# KiCad board master-circuit.kicad_pcb
title: Hex master motor control circuit; rev: version 0.2; company: Hex Robotics Limited; note: Author: Calin Mocanu
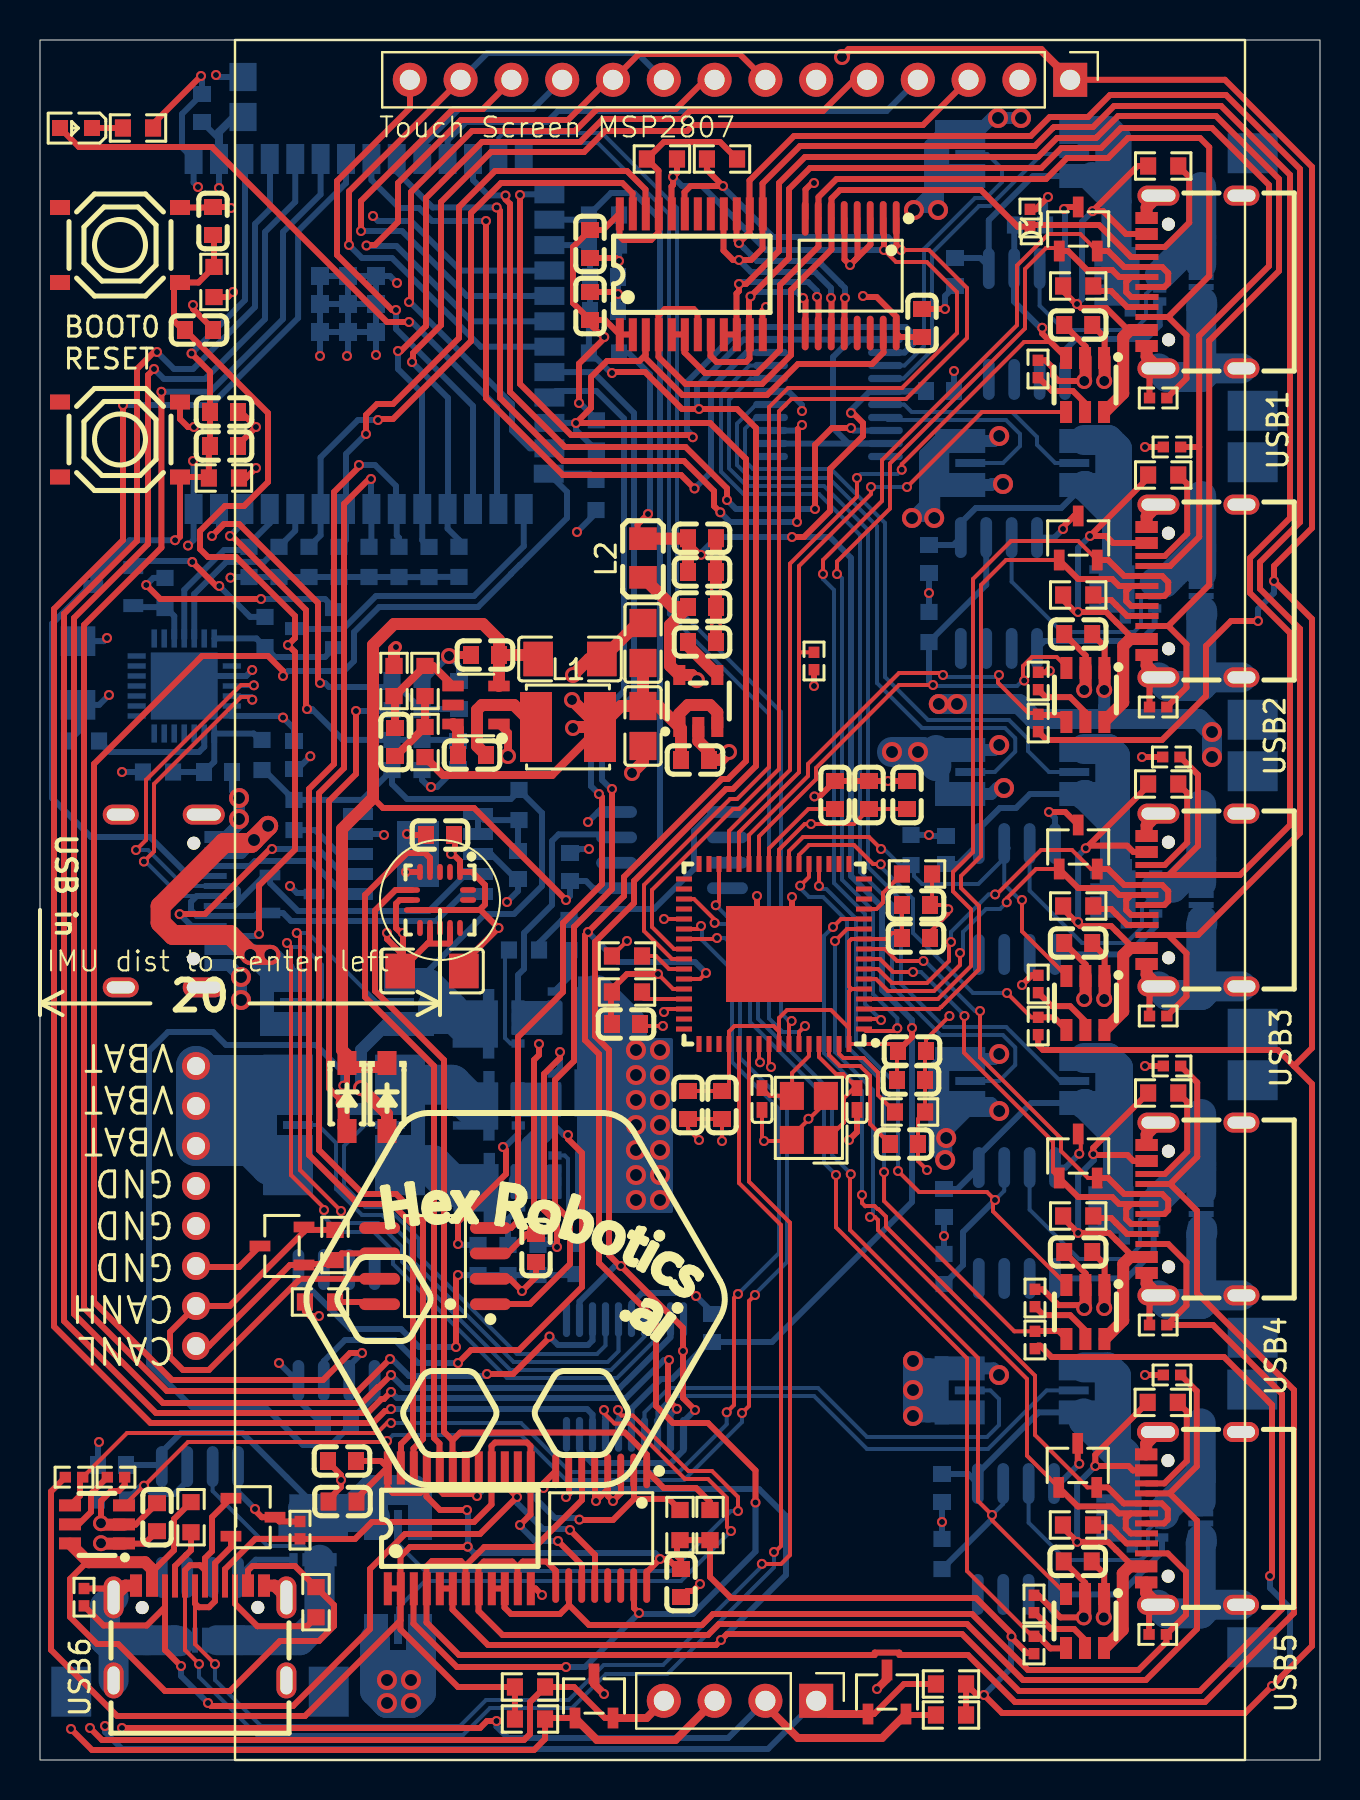
[diagram p0: board, top side]
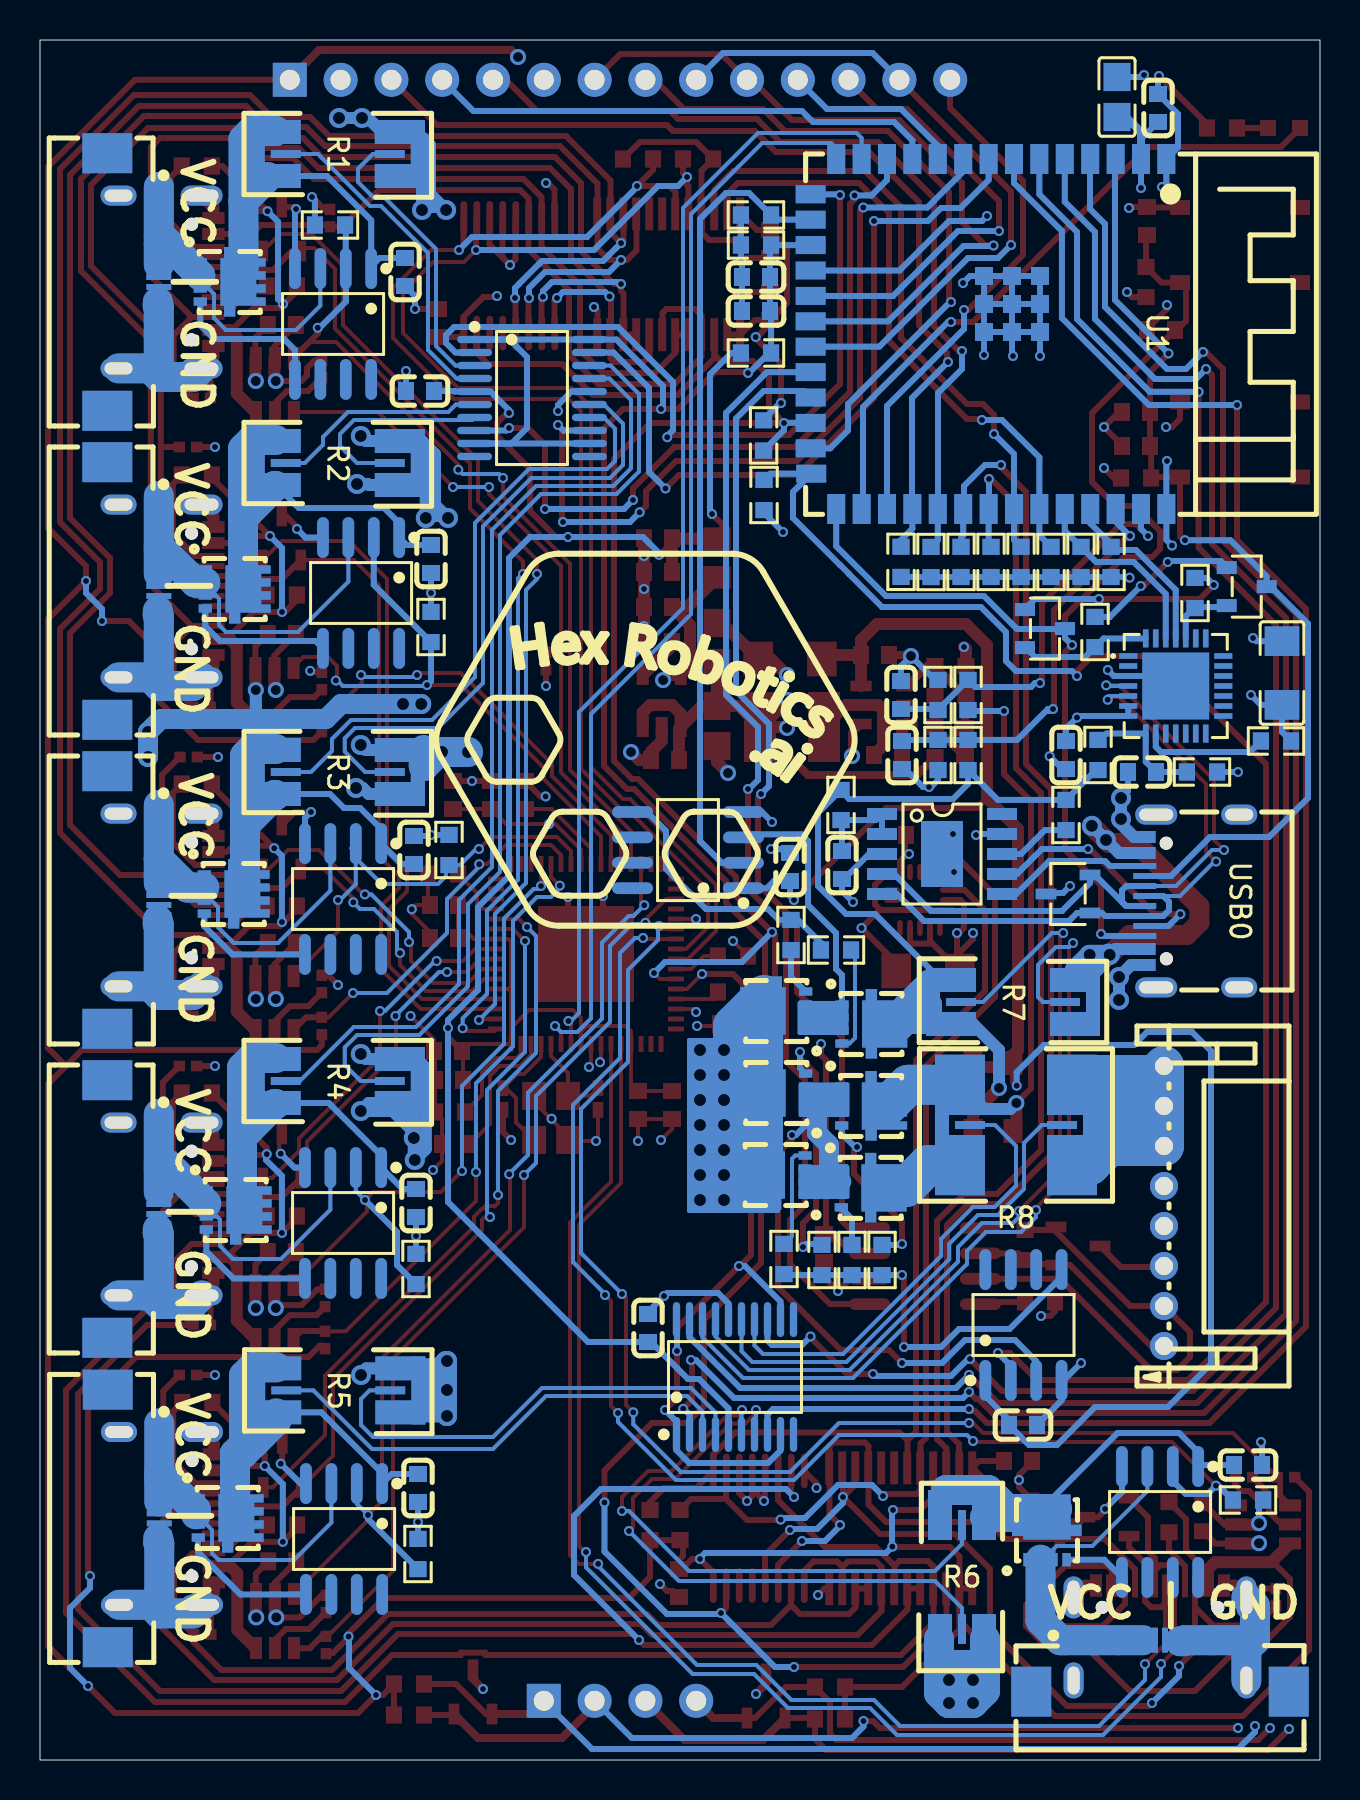
[diagram p1: board, bottom side, seen from below]

Outline 64 x 86 mm; copper layers: Top, In1.Cu, In2.Cu, Bottom. Coordinates in mm from the lower left corner of the outline.
Outline path: rectangle 0,86 64,0
Stack: Top 0.07mm / dielectric 0.1mm FR4 er 4.5 / In1.Cu 0.035mm / dielectric 1.24mm FR4 er 4.5 / In2.Cu 0.035mm / dielectric 0.1mm FR4 er 4.5 / Bottom 0.07mm

## Placement (name value [footprint] x y rotation side)
C1  1uF  [C0603]  9.2 65.7 180 top
C2  100nF  [C0603]  8.1 82.6 270 bottom
C3  22uF  [C0805]  10.15 83.15 270 bottom
C4  100nF  [C0603]  7.95 71.5 180 top
C5  100nF  [C0603]  9.2 67.4 180 top
C6  100pF  [C0603]  17.75 50.9 270 top
C7  100nF  [C0603]  21.6 50.25 0 top
C8  1uF  [C0603]  33.1 57.65 180 top
C9  10nF  [C0603]  33.1 55.9 180 top
C10  1nF  [C0603]  20.9 50.25 90 bottom
C11  1nF  [C0603]  20.95 53.25 270 bottom
C12  1uF  [C0603]  33.1 59.4 180 top
C13  100nF  [C0603]  33.1 61.09 180 top
C15  1uF  [C0603]  51.91 71.75 0 top
C16  100nF  [C0603]  12.7 50.25 90 bottom
C17  10uF  [C1206]  1.9 54.35 270 bottom
C18  1uF  [C0603]  8.9 49.4 0 bottom
C20  1uF  [C0603]  32.75 50 180 top
C21  10uF  [C1206]  26.5 55.05 180 top
C22  100nF  [C0603]  22.25 55.25 0 top
C23  22uF  [C0805]  30.15 55.85 270 top
C24  22uF  [C0805]  30.15 51.7 90 top
C25  1uF  [C0603]  8.65 76.95 270 top
C26  1uF  [C0603]  51.91 56.3 0 top
C27  1uF  [C0603]  51.91 40.85 0 top
C28  1uF  [C0603]  51.91 25.4 0 top
C29  1uF  [C0603]  23.9 44.75 90 bottom
C30  100nF  [C0603]  24.8 25.6 90 top
C31  100nF  [C0603]  20 46.25 0 top
C32  10uF  [C1206]  19.6 39.45 0 top
C33  1uF  [C0603]  51.89 9.93 0 top
C34  100nF  [C0603]  28.2 72.45 180 bottom
C35  1uF  [C0603]  28.2 74.15 180 bottom
C38  100nF  [C0603]  33.6 21.6 270 bottom
C39  100nF  [C0603]  45 68.45 180 bottom
C40  1uF  [C0603]  5.85 12.14 270 top
C42  100nF  [C0603]  27.5 75.8 90 top
C43  100nF  [C0603]  15.1 14.95 0 top
C44  100nF  [C0603]  32.05 8.85 90 top
C45  100nF  [C0603]  44.1 71.85 270 top
C51  1uF  [C0603]  45.75 74.4 90 bottom
C52  1uF  [C0603]  44.45 60.05 90 bottom
C53  1uF  [C0603]  45.3 45.5 270 bottom
C54  1uF  [C0603]  45.2 27.85 90 bottom
C55  1uF  [C0603]  26.5 44.65 270 bottom
C56  1uF  [C0603]  14.85 16.75 0 bottom
C57  1uF  [C0603]  45.1 13.6 90 bottom
C58  1uF  [C0603]  3.6 14.75 0 bottom
C59  1uF  [C0603]  41.45 48.25 270 top
C60  100nF  [C0603]  43.35 48.25 270 top
C61  100nF  [C0603]  43.8 41.1 180 top
C62  100nF  [C0603]  43.8 42.75 180 top
C63  1uF  [C0603]  39.75 48.25 270 top
C64  15pF  [C0402]  40.85 33.05 270 top
C65  1uF  [C0603]  43.2 30.8 180 top
C66  100nF  [C0603]  34.1 32.75 90 top
C67  100nF  [C0603]  32.4 32.75 90 top
C68  100nF  [C0603]  29.3 36.8 180 top
C69  15pF  [C0402]  36.1 33.05 90 top
C70  100nF  [C0603]  43.55 34 180 top
C71  1uF  [C0603]  43.6 35.45 180 top
C84  1uF  [C0603]  27.5 72.7 270 top
C85  1uF  [C0603]  15.12 12.92 0 top
D1  ~  [SOT-23-3_L3.0-W1.7-P0.95-LS2.9-BR]  51.91 76.55 90 top
D2  ~  [SOT-23-3_L3.0-W1.7-P0.95-LS2.9-BR]  51.91 61.1 90 top
D4  ~  [SOT-23-3_L3.0-W1.7-P0.95-LS2.9-BR]  27.7 3.2 90 top
D5  ~  [SOT-23-3_L3.0-W1.7-P0.95-LS2.9-BR]  51.91 45.65 90 top
D6  ~  [SOT-23-3_L3.0-W1.7-P0.95-LS2.9-BR]  42.35 3.4 90 top
D7  ~  [SOT-23-3_L3.0-W1.7-P0.95-LS2.9-BR]  12.1 25.7 180 top
D8  ~  [SOT-23-3_L3.0-W1.7-P0.95-LS2.9-BR]  12.6 43.3 0 bottom
D9  ~  [SOT-23-3_L3.0-W1.7-P0.95-LS2.9-BR]  51.91 30.2 90 top
D10  ~  [SOT-23-3_L3.0-W1.7-P0.95-LS2.9-BR]  51.89 14.73 90 top
D11  ~  [SOT-23-3_L3.0-W1.7-P0.95-LS2.9-BR]  10.65 12.14 0 top
D12  ~  [SOD-123_L2.7-W1.6-LS3.7-RD-1]  15.35 33.15 270 top
D14  ~  [SOD-123_L2.7-W1.6-LS3.7-RD-1]  17.35 33.15 270 top
FPC1  ~  [FPC-SMD_20P-P0.50_XUNPU_FPC-05F-20PH20]  59.35 73.9 270 bottom
FPC2  ~  [FPC-SMD_20P-P0.50_XUNPU_FPC-05F-20PH20]  59.35 58.45 270 bottom
FPC3  ~  [FPC-SMD_20P-P0.50_XUNPU_FPC-05F-20PH20]  59.35 43 270 bottom
FPC4  ~  [FPC-SMD_20P-P0.50_XUNPU_FPC-05F-20PH20]  59.35 27.55 270 bottom
FPC5  ~  [FPC-SMD_20P-P0.50_XUNPU_FPC-05F-20PH20]  59.32 12.08 270 bottom
FPC6  ~  [FPC-SMD_20P-P0.50_XUNPU_FPC-05F-20PH20]  8 4.7 180 bottom
L1  15uH  [IND-SMD_L4.0-W4.0]  26.4 51.65 0 top
L2  10uH  [L0805]  30.15 60.1 90 top
LED1  ~  [LED0603-RD]  1.8 81.6 180 top
Q8  ~  [WDFN-5_L3.1-W3.1-P0.65-BL_1]  55.25 73.9 270 bottom
Q9  ~  [SOT-23-3_L2.9-W1.3-P1.90-LS2.4-BR]  3.66 58.7 180 bottom
Q10  ~  [SOT-23-3_L2.9-W1.3-P1.90-LS2.4-BR]  13.75 56.6 180 bottom
Q12  ~  [WDFN-5_L3.1-W3.1-P0.65-BL_1]  55 58.55 270 bottom
Q14  ~  [WDFN-5_L3.1-W3.1-P0.65-BL_1]  23.16 36.8 270 bottom
Q16  ~  [WDFN-5_L3.1-W3.1-P0.65-BL_1]  26.45 37.45 90 bottom
Q18  ~  [WDFN-5_L3.1-W3.1-P0.65-BL_1]  23.18 32.7 270 bottom
Q20  ~  [WDFN-5_L3.1-W3.1-P0.65-BL_1]  26.45 33.35 90 bottom
Q21  ~  [WDFN-5_L3.1-W3.1-P0.65-BL_1]  23.2 28.61 270 bottom
Q22  ~  [WDFN-5_L3.1-W3.1-P0.65-BL_1]  26.48 29.25 90 bottom
Q23  ~  [WDFN-5_L3.1-W3.1-P0.65-BL_1]  55.05 43.3 270 bottom
Q24  ~  [WDFN-5_L3.1-W3.1-P0.65-BL_1]  54.95 27.5 270 bottom
Q25  ~  [WDFN-5_L3.1-W3.1-P0.65-BL_1]  55.35 12.1 270 bottom
Q26  ~  [WDFN-5_L3.1-W3.1-P0.65-BL_1]  13.65 10.75 180 bottom
R1  5mΩ  [R2512 Shunt with Kelvin connections]  49.11 80.3 180 bottom
R2  5mΩ  [R2512 Shunt with Kelvin connections]  49.11 64.85 180 bottom
R3  5mΩ  [R2512 Shunt with Kelvin connections]  49.11 49.4 180 bottom
R4  5mΩ  [R2512 Shunt with Kelvin connections]  49.11 33.95 180 bottom
R5  5mΩ  [R2512 Shunt with Kelvin connections]  49.09 18.48 180 bottom
R6  5mΩ  [R2512 Shunt with Kelvin connections]  17.9 9.15 270 bottom
R7  5mΩ  [R2512 Shunt with Kelvin connections]  15.35 37.9 0 bottom
R8  1mΩ  [R2725 Shunt with Kelvin connections]  15.2 31.75 0 bottom
R9  10kΩ  [R0603]  45.55 3.8 0 top
R10  49.9Ω  [R0603]  19.25 50.9 270 top
R11  10kΩ  [R0603]  27.8 63.25 90 bottom
R12  10kΩ  [R0603]  28.2 77.25 180 bottom
R13  56kΩ  [R0603]  51.91 73.7 0 top
R14  10kΩ  [R0603]  24.5 3.65 180 top
R15  10kΩ  [R0603]  24.5 2.05 180 top
R16  120Ω  [R0603]  14.75 25.75 90 top
R17  10kΩ  [R0603]  17.95 59.9 270 bottom
R18  10kΩ  [R0603]  16.45 59.9 270 bottom
R21  10kΩ  [R0603]  28.2 70.35 0 bottom
R22  10kΩ  [R0603]  28.2 75.75 180 bottom
R23  1.5kΩ  [R0603]  4.9 81.6 0 top
R24  10kΩ  [R0603]  14.95 59.9 270 bottom
R25  10kΩ  [R0603]  13.45 59.9 270 bottom
R26  10kΩ  [R0603]  19.45 59.9 270 bottom
R27  10kΩ  [R0603]  20.95 59.91 270 bottom
R28  56kΩ  [R0603]  51.91 58.25 0 top
R29  10kΩ  [R0603]  27.82 66.23 90 bottom
R30  10kΩ  [R0603]  43.85 44.3 180 top
R31  10kΩ  [R0603]  14 22.9 0 top
R32  10kΩ  [R0603]  11.95 59.9 270 bottom
R33  10kΩ  [R0603]  10.45 59.9 270 bottom
R34  10kΩ  [R0603]  45.55 2.25 0 top
R35  20kΩ  [R0402]  49.9 69.55 270 top
R37  10kΩ  [R0603]  9.2 64.1 0 top
R38  10kΩ  [R0603]  19.1 53.25 270 bottom
R39  1.5kΩ  [R0603]  2.2 50.95 0 bottom
R40  20kΩ  [R0603]  11.1 50.25 90 bottom
R41  47kΩ  [R0603]  5.9 49.4 180 bottom
R42  10kΩ  [R0603]  8.7 73.9 90 top
R43  10kΩ  [R0603]  11.25 56.4 270 bottom
R44  10kΩ  [R0603]  6.25 58.35 270 bottom
R45  100kΩ  [R0603]  17.6 50.25 270 bottom
R46  56kΩ  [R0603]  51.91 42.7 0 top
R47  10kΩ  [R0603]  19.1 50.25 90 bottom
R48  100kΩ  [R0603]  17.6 53.25 270 bottom
R50  12kΩ  [R0603]  43.5 32.4 0 top
R51  10kΩ  [R0603]  29.35 38.4 180 top
R52  10kΩ  [R0603]  29.35 40.2 0 top
R53  10kΩ  [R0603]  34.1 80.05 0 top
R55  20kΩ  [R0402]  49.91 53.95 270 top
R56  100kΩ  [R0603]  19.25 53.95 270 top
R58  10kΩ  [R0603]  31.1 80.05 180 top
R59  56kΩ  [R0603]  51.91 27.2 0 top
R60  10kΩ  [R0603]  33.5 11.75 270 top
R61  20kΩ  [R0402]  49.91 38.8 270 top
R62  13kΩ  [R0603]  17.7 53.95 270 top
R64  10kΩ  [R0603]  32 11.75 270 top
R65  56kΩ  [R0603]  51.9 11.75 0 top
R66  20kΩ  [R0402]  49.75 23.1 270 top
R67  20kΩ  [R0402]  49.7 7.8 270 top
R68  1kΩ  [R0603]  23.95 47.75 270 bottom
R70  20kΩ  [R0402]  3.8 14.14 180 top
R71  56kΩ  [R0603]  7.55 12.14 270 top
R72  10kΩ  [R0603]  12.7 47.25 270 bottom
R73  10kΩ  [R0603]  49.5 76.75 180 bottom
R74  10kΩ  [R0603]  44.45 56.65 270 bottom
R76  56kΩ  [R0603]  56.16 79.7 180 top
R77  4.7Ω  [R0603]  26.45 41.25 270 bottom
R78  10kΩ  [R0603]  43.55 45.5 270 bottom
R79  100kΩ  [R0402]  38.7 54.95 90 top
R80  100kΩ  [R0402]  49.91 51.85 90 top
R81  4.7Ω  [R0603]  24.2 40.5 180 bottom
R82  100kΩ  [R0402]  49.91 36.7 90 top
R83  100kΩ  [R0402]  49.75 21 90 top
R84  100kΩ  [R0402]  49.7 5.75 90 top
R85  56kΩ  [R0603]  56.16 64.25 180 top
R86  56kΩ  [R0603]  56.16 48.8 180 top
R87  56kΩ  [R0603]  56.16 33.35 180 top
R88  56kΩ  [R0603]  56.14 17.88 180 top
R89  56kΩ  [R0603]  13.8 7.89 90 top
R90  4.7Ω  [R0603]  21.9 25 90 bottom
R91  100kΩ  [R0402]  1.7 14.14 0 top
R92  4.7Ω  [R0603]  24.9 25 90 bottom
R93  4.7Ω  [R0603]  23.4 25 90 bottom
R94  4.7Ω  [R0603]  26.8 25.05 90 bottom
R95  10kΩ  [R0603]  45.2 24.55 270 bottom
R96  1MΩ  [R0402]  55.91 68.1 0 top
R97  1MΩ  [R0402]  55.91 52.65 0 top
R98  1MΩ  [R0402]  55.91 37.2 0 top
R99  1MΩ  [R0402]  55.91 21.75 0 top
R100  1MΩ  [R0402]  55.89 6.28 0 top
R101  1MΩ  [R0402]  2.2 8.14 270 top
R102  10kΩ  [R0603]  45.1 10.3 270 bottom
R103  1MΩ  [R0402]  49.5 77.1 270 top
R104  1MΩ  [R0402]  56.6 65.65 0 top
R105  1MΩ  [R0402]  56.57 50.15 0 top
R106  1MΩ  [R0402]  56.6 34.7 0 top
R107  1MΩ  [R0402]  56.6 19.25 0 top
R108  1MΩ  [R0402]  13 11.49 270 top
R109  10kΩ  [R0603]  3.6 13 0 bottom
SW1  ~  [SW-SMD_4P-L5.1-W5.1-P3.70-LS6.5-TL_H1.5]  4 75.75 180 top
SW2  ~  [SW-SMD_4P-L5.1-W5.1-P3.70-LS6.5-TL_H1.5]  4 66.03 180 top
U1  ~  [WIRELM-SMD_ESP32-S3-WROOM-1]  16.58 71.3 270 bottom
U3  ~  [SOT-23-5_L3.0-W1.6-P0.95-LS2.8-BL]  32.91 52.95 180 top
U4  ~  [SOT-23-6_L2.9-W1.6-P0.95-LS2.8-BL]  21.8 52.75 270 top
U7  ~  [SOT-23-6_L2.9-W1.6-P0.95-LS2.8-BR]  52.28 68.75 270 top
U9  ~  [TSSOP-24_L7.8-W4.4-P0.65-LS6.4-BL]  32.55 74.3 90 top
U10  ~  [QFN-28_L5.0-W5.0-P0.50-TL-EP3.3]  7.21 53.7 270 bottom
U11  ~  [TSSOP-20_L6.5-W4.4-P0.65-LS6.4-BL]  39.4 68.1 180 bottom
U13  ~  [TSSOP-24_L7.8-W4.4-P0.65-LS6.4-BL]  20.95 11.6 90 top
U14  ~  [TSSOP-16_L5.0-W4.4-P0.65-LS6.4-BL]  40.55 74.2 270 top
U15  ~  [TSSOP-16_L5.0-W4.4-P0.65-LS6.4-BL]  28.07 11.57 270 top
U16  ~  [TSSOP-20_L6.5-W4.4-P0.65-LS6.4-BL]  29.25 19.15 90 bottom
U17  ~  [SOIC-8_L4.9-W3.9-P1.27-LS6.0-BL]  19.75 24.7 180 top
U18  ~  [LGA-16_L3.0-W3.0-P0.50-TL]  20 43 270 top
U19  ~  [CONN-TH_S8B-PH-K-S-LF-SN]  7.8 27.7 270 bottom
U23  ~  [SOT-23-6_L2.9-W1.6-P0.95-LS2.8-BR]  52.3 53.25 270 top
U24  ~  [QFN-64_L9.0-W9.0-P0.50-BL-EP4.8]  36.7 40.3 0 top
U26  ~  [SOT-23-6_L2.9-W1.6-P0.95-LS2.8-BR]  52.3 37.85 270 top
U28  ~  [SOT-23-6_L2.9-W1.6-P0.95-LS2.8-BR]  52.3 22.4 270 top
U30  ~  [SOT-23-6_L2.9-W1.6-P0.95-LS2.8-BR]  52.28 6.95 270 top
U32  ~  [SOT-23-6_L2.9-W1.6-P0.95-LS2.8-BR]  2.85 11.75 180 top
U35  ~  [MSP2807 OLED with touchescreen and SD card]  35 43 270 top
U41  ~  [SOIC-8_L4.9-W3.9-P1.27-LS6.0-BL]  49.35 71.8 270 bottom
U42  ~  [ESSOP-10_L4.9-W3.9-P1.0-LS6.0-TL-EP]  18.9 45.3 270 bottom
U43  ~  [SOIC-8_L4.9-W3.9-P1.27-LS6.0-BL]  47.95 58.35 270 bottom
U44  ~  [SOIC-8_L4.9-W3.9-P1.27-LS6.0-BL]  48.85 43.05 270 bottom
U45  ~  [SOIC-8_L4.9-W3.9-P1.27-LS6.0-BL]  48.85 26.85 270 bottom
U46  ~  [SOIC-8_L4.9-W3.9-P1.27-LS6.0-BL]  31.6 45.5 0 bottom
U47  ~  [SOIC-8_L4.9-W3.9-P1.27-LS6.0-BL]  14.82 21.75 90 bottom
U48  ~  [SOIC-8_L4.9-W3.9-P1.27-LS6.0-BL]  48.8 11.05 270 bottom
U49  ~  [SOIC-8_L4.9-W3.9-P1.27-LS6.0-BL]  8 11.9 270 bottom
USB0  ~  [USB-C-SMD_TYPE-C16PIN]  6.4 42.95 90 bottom
USB1  ~  [USB-C-SMD_TYPE-C16PIN]  57.71 73.9 90 top
USB2  ~  [USB-C-SMD_TYPE-C16PIN]  57.71 58.45 90 top
USB3  ~  [USB-C-SMD_TYPE-C16PIN]  57.71 43 90 top
USB4  ~  [USB-C-SMD_TYPE-C16PIN]  57.71 27.55 90 top
USB5  ~  [USB-C-SMD_TYPE-C16PIN]  57.69 12.08 90 top
USB6  ~  [USB-C-SMD_TYPE-C16PIN]  8 6.34 0 top
X2  24MHz  [CRYSTAL-SMD_4P-L3.2-W2.5-BL]  38.44 32.1 90 top

## Library data of the parts
C1 C8 C12 C15 C18 C20 C25-C29 C33 C35 C40 C51-C59 C63 C65 C71 C84 C85 = -: Datasheet: https://item.szlcsc.com/datasheet/CL10A105KB8NNNC/16531.html; Description: Capacitance:1uF Tolerance:±10% Tolerance:±10% Voltage Rating:50V Temperature Coefficient:X5R; Manufacturer Part: CL10A105KB8NNNC; Manufacturer: SAMSUNG(三星); Supplier Part: C15849; Supplier: LCSC; LCSC Part Name: 1uF ±10% 50V; LCSC Part #: C15849
C2 C4 C5 C7 C13 C16 C22 C30 C31 C34 C38 C39 C42-C45 C60-C62 C66-C68 C70 = -: Datasheet: https://item.szlcsc.com/datasheet/CC0603KRX7R9BB104/15331.html; Description: Capacitance:100nF Tolerance:±10% Tolerance:±10% Voltage Rating:50V Temperature Coefficient:X7R; Manufacturer Part: CC0603KRX7R9BB104; Manufacturer: YAGEO(国巨); Supplier Part: C14663; Supplier: LCSC; LCSC Part Name: 100nF ±10% 50V; LCSC Part #: C14663
C3 C23 C24 = -: Datasheet: https://item.szlcsc.com/datasheet/CL21A226MAQNNNE/46786.html; Description: Capacitance:22uF Tolerance:±20% Tolerance:±20% Voltage Rating:25V Temperature Coefficient:X5R; Manufacturer Part: CL21A226MAQNNNE; Manufacturer: SAMSUNG(三星); Supplier Part: C45783; Supplier: LCSC; LCSC Part Name: 22uF ±20% 25V; LCSC Part #: C45783
C6 = -: Datasheet: https://item.szlcsc.com/datasheet/CL10C101JB8NNNC/15530.html; Description: Capacitance:100pF Tolerance:±5% Tolerance:±5% Voltage Rating:50V Temperature Coefficient:C0G; Manufacturer Part: CL10C101JB8NNNC; Manufacturer: SAMSUNG(三星); Supplier Part: C14858; Supplier: LCSC; LCSC Part Name: 100pF ±5% 50V; LCSC Part #: C14858
C9 = -: Datasheet: https://item.szlcsc.com/datasheet/0603B103K500NT/58143.html; Description: Capacitance:10nF Tolerance:±10% Tolerance:±10% Voltage Rating:50V Temperature Coefficient:X7R; Manufacturer Part: 0603B103K500NT; Manufacturer: FH(风华); Supplier Part: C57112; Supplier: LCSC; LCSC Part Name: 10nF ±10% 50V; LCSC Part #: C57112
C10 C11 = -: Datasheet: https://item.szlcsc.com/datasheet/CL10B102KB8NNNC/1940.html; Description: Capacitance:1nF Tolerance:±10% Tolerance:±10% Voltage Rating:50V Temperature Coefficient:X7R; Manufacturer Part: CL10B102KB8NNNC; Manufacturer: SAMSUNG(三星); Supplier Part: C1588; Supplier: LCSC; LCSC Part Name: 1nF ±10% 50V; LCSC Part #: C1588
C17 C21 C32 = -: Datasheet: https://item.szlcsc.com/datasheet/CL31A106KBHNNNE/14236.html; Description: Capacitance:10uF Tolerance:±10% Tolerance:±10% Voltage Rating:50V Temperature Coefficient:X5R; Manufacturer Part: CL31A106KBHNNNE; Manufacturer: SAMSUNG(三星); Supplier Part: C13585; Supplier: LCSC; LCSC Part Name: 10uF ±10% 50V; LCSC Part #: C13585
C64 C69 = -: Datasheet: https://item.szlcsc.com/datasheet/0402CG150J500NT/1900.html; Description: Capacitance:15pF Tolerance:±5% Tolerance:±5% Voltage Rating:50V Temperature Coefficient:C0G; Manufacturer Part: 0402CG150J500NT; Manufacturer: FH(风华); Supplier Part: C1548; Supplier: LCSC; LCSC Part Name: 15pF ±5% 50V; LCSC Part #: C1548
D1 D2 D4-D11 = -: Datasheet: https://item.szlcsc.com/datasheet/PSM712-LF-T7/33642.html; Description: Polarity:Unidirectional Reverse Stand-Off Voltage (Vrwm):12V Clamping Voltage:19V Peak Pulse Current (Ipp):34A@8/20us；30A@8/20us Peak Pulse Power Dissipation (Ppp):600W@8/20us Voltage - Breakdown:13.3V Reverse Leakage Current (Ir):1uA；20uA Operating Tempe; Manufacturer Part: PSM712-LF-T7; Manufacturer: PROTEK; Supplier Part: C32677; Supplier: LCSC; LCSC Part Name: 单向TVS 12V截止 峰值浪涌电流：34A@8/20us 30A@8/20us; LCSC Part #: C32677
D12 D14 = -: Datasheet: https://item.szlcsc.com/datasheet/B5819W%2520SL/9093.html; Description: Voltage - Forward(Vf@If):600mV@1A Voltage - DC Reverse(Vr):40V Current - Rectified:1A Non-Repetitive Peak Forward Surge Current:9A; Manufacturer Part: B5819W SL; Manufacturer: CJ(江苏长电/长晶); Supplier Part: C8598; Supplier: LCSC; LCSC Part Name: 电压:40V 电流:1A; LCSC Part #: C8598
FPC1-FPC6 = -: Datasheet: https://item.szlcsc.com/datasheet/FPC-05F-20PH20/3056901.html; Description: Locking Feature:Hinged Lid Contact Type:Surface Mount Number of Contacts:20P Pitch:0.5mm Mounting Type:Bottom Contact FFC, FCB Thickness:0.3mm FFC, FCB Thickness:0.3mm Height Above Board:2mm Contact Material:Phosphor Bronze Contact Plating:Tin Operating T; Manufacturer Part: FPC-05F-20PH20; Manufacturer: XUNPU(讯普); Supplier Part: C2856803; Supplier: LCSC; LCSC Part Name: 翻盖式 卧贴 P数:20P 间距:0.5mm; LCSC Part #: C2856803
L1 = -: Datasheet: https://atta.szlcsc.com/upload/public/pdf/source/20200609/C601990_BCEA243EC4DA0A9A288AA78A6DFB48A5.pdf; Description: Inductance:15uH Tolerance:±20% Tolerance:±20% Current Rating:1.2A Current - Saturation(Isat):2.8A DC Resistance(DCR):305mΩ Type:Winding Inductor; Manufacturer Part: FHD4020S-150MT; Manufacturer: cjiang(长江微电); Supplier Part: C602033; Supplier: LCSC; LCSC Part Name: 15uH ±20% 2.8A; LCSC Part #: C602033
L2 = -: Datasheet: https://atta.szlcsc.com/upload/public/pdf/source/20231027/097A17DDB71564CE812E62F0F80142C9.pdf; Description: Inductance: Tolerance:±10% Tolerance:±10% Rated Current: Current - Saturation (Isat):- DC Resistance(DCR): Q @ Frequency:- Frequency - Self Resonant:- Ratings:; Manufacturer Part: SDFL2012S100KTF; Manufacturer: Sunlord(顺络); Supplier Part: C1046; Supplier: LCSC; LCSC Part Name: 10uH ±10%; LCSC Part #: C1046
LED1 = -: Datasheet: https://atta.szlcsc.com/upload/public/pdf/source/20160616/1466072038404.pdf; Description: Emitted Color:Red Power Dissipation:- Forward Current:- Dominant Wavelength:- Dominant Wavelength:- Peak Wavelength:- Diode Configuration:- Lens Color:- Color Temperature:- Color Temperature:- Viewing Angle:- Mounting Sytle:- Operating Temperature:-40°C~+8; Manufacturer Part: KT-0603R; Manufacturer: KENTO; Supplier Part: C2286; Supplier: LCSC; LCSC Part Name: 0603 红灯 高亮; LCSC Part #: C2286
Q8 Q12 Q14 Q16 Q18 Q20-Q26 = -: Datasheet: https://item.szlcsc.com/datasheet/40N06D/8649553.html; Description: Number:1 N-Channel Drain to Source Voltage:60V Current - Continuous Drain(Id):40A RDS(on):12mΩ Gate Threshold Voltage (Vgs(th)):2.5V; Manufacturer Part: 40N06D; Manufacturer: HL(富海微); Supplier Part: C7543836; Supplier: LCSC; LCSC Part Name: 1个N沟道 耐压:60V 电流:40A; LCSC Part #: C7543836; FT Origin: Anchor
Q9 Q10 = -: Datasheet: https://item.szlcsc.com/datasheet/SS8050(RANGE%253A200-350)/2507.html; Description: type:NPN Current - Collector(Ic):1.5A Collector - Emitter Voltage VCEO:25V Pd - Power Dissipation:300mW DC Current Gain:200@800mA,1V DC Current Gain:200@800mA,1V Transition frequency(fT):100MHz Current - Collector Cutoff:100nA Vce Saturation(VCE(sat)):500; Manufacturer Part: SS8050(RANGE:200-350); Manufacturer: CJ(江苏长电/长晶); Supplier Part: C2150; Supplier: LCSC; LCSC Part Name: hfe=200~350 NPN 电流:1.5A 电压:25V; LCSC Part #: C2150
R1-R7 = -: Datasheet: https://item.szlcsc.com/datasheet/RLP25FEGMR005/370313.html; Description: Type:Current Sense Resistor Resistance:5mΩ Tolerance:±1% Tolerance:±1% Voltage Rating:- Power(Watts):3W Current Rating:- Temperature Coefficient:±50ppm/°C Temperature Coefficient:±50ppm/°C Mounting Type:Surface Mount; Manufacturer Part: RLP25FEGMR005; Manufacturer: 大毅科技; Supplier Part: C393074; Supplier: LCSC; LCSC Part Name: 5mΩ ±1% 3W; LCSC Part #: C393074
R8 = -: Datasheet: https://item.szlcsc.com/datasheet/YLR25-4-1F-W/475663.html; Description: Type:Current Sense Resistor Resistance:1mΩ Tolerance:±1% Tolerance:±1% Voltage Rating:- Power(Watts):4W Current Rating:- Temperature Coefficient:±50ppm/°C Temperature Coefficient:±50ppm/°C Mounting Type:SMD; Manufacturer Part: YLR25-4-1F-W; Manufacturer: yezhan(业展); Supplier Part: C469381; Supplier: LCSC; LCSC Part Name: 1mΩ ±1% 4W; LCSC Part #: C469381
R9 R11 R12 R14 R15 R17 R18 R21 R22 R24-R27 R29-R34 R37 R38 R42-R44 R47 R51-R53 R58 R60 R64 R72-R74 R78 R95 R102 R109 = -: Datasheet: https://item.szlcsc.com/datasheet/0603WAF1002T5E/26547.html; Description: Type:Thick Film Resistor Resistance:10kΩ Tolerance:±1% Tolerance:±1% Power(Watts):100mW Voltage-Supply(Max):75V Temperature Coefficient:±100ppm/°C Temperature Coefficient:±100ppm/°C Operating Temperature:-55°C~+155°C Operating Temperature:-55°C~+155°C; Manufacturer Part: 0603WAF1002T5E; Manufacturer: UNI-ROYAL(厚声); Supplier Part: C25804; Supplier: LCSC; LCSC Part Name: 厚膜电阻 10kΩ ±1% 100mW; LCSC Part #: C25804
R10 = -: Datasheet: https://item.szlcsc.com/datasheet/0603WAF499JT5E/23912.html; Description: Type:Thick Film Resistor Resistance:49.9Ω Tolerance:±1% Tolerance:±1% Power(Watts):100mW Voltage-Supply(Max):75V Temperature Coefficient:±100ppm/°C Temperature Coefficient:±100ppm/°C Operating Temperature:-55°C~+155°C Operating Temperature:-55°C~+155°C; Manufacturer Part: 0603WAF499JT5E; Manufacturer: UNI-ROYAL(厚声); Supplier Part: C23185; Supplier: LCSC; LCSC Part Name: 49.9Ω ±1% 100mW 厚膜电阻; LCSC Part #: C23185